# Altium PCB Test_Jig.PcbDoc (part 1 of 2)
Units mm, origin at the board's own origin, x right, y up, seen from the top; angles counter-clockwise.
Board outline 107.92 x 107.92 mm, 4 copper layers (Top Layer, Signal Layer 2, Signal Layer 1, Bottom Layer), stack 1.643 mm thick; 143 components, 166 nets, 722 pads, 216 vias.
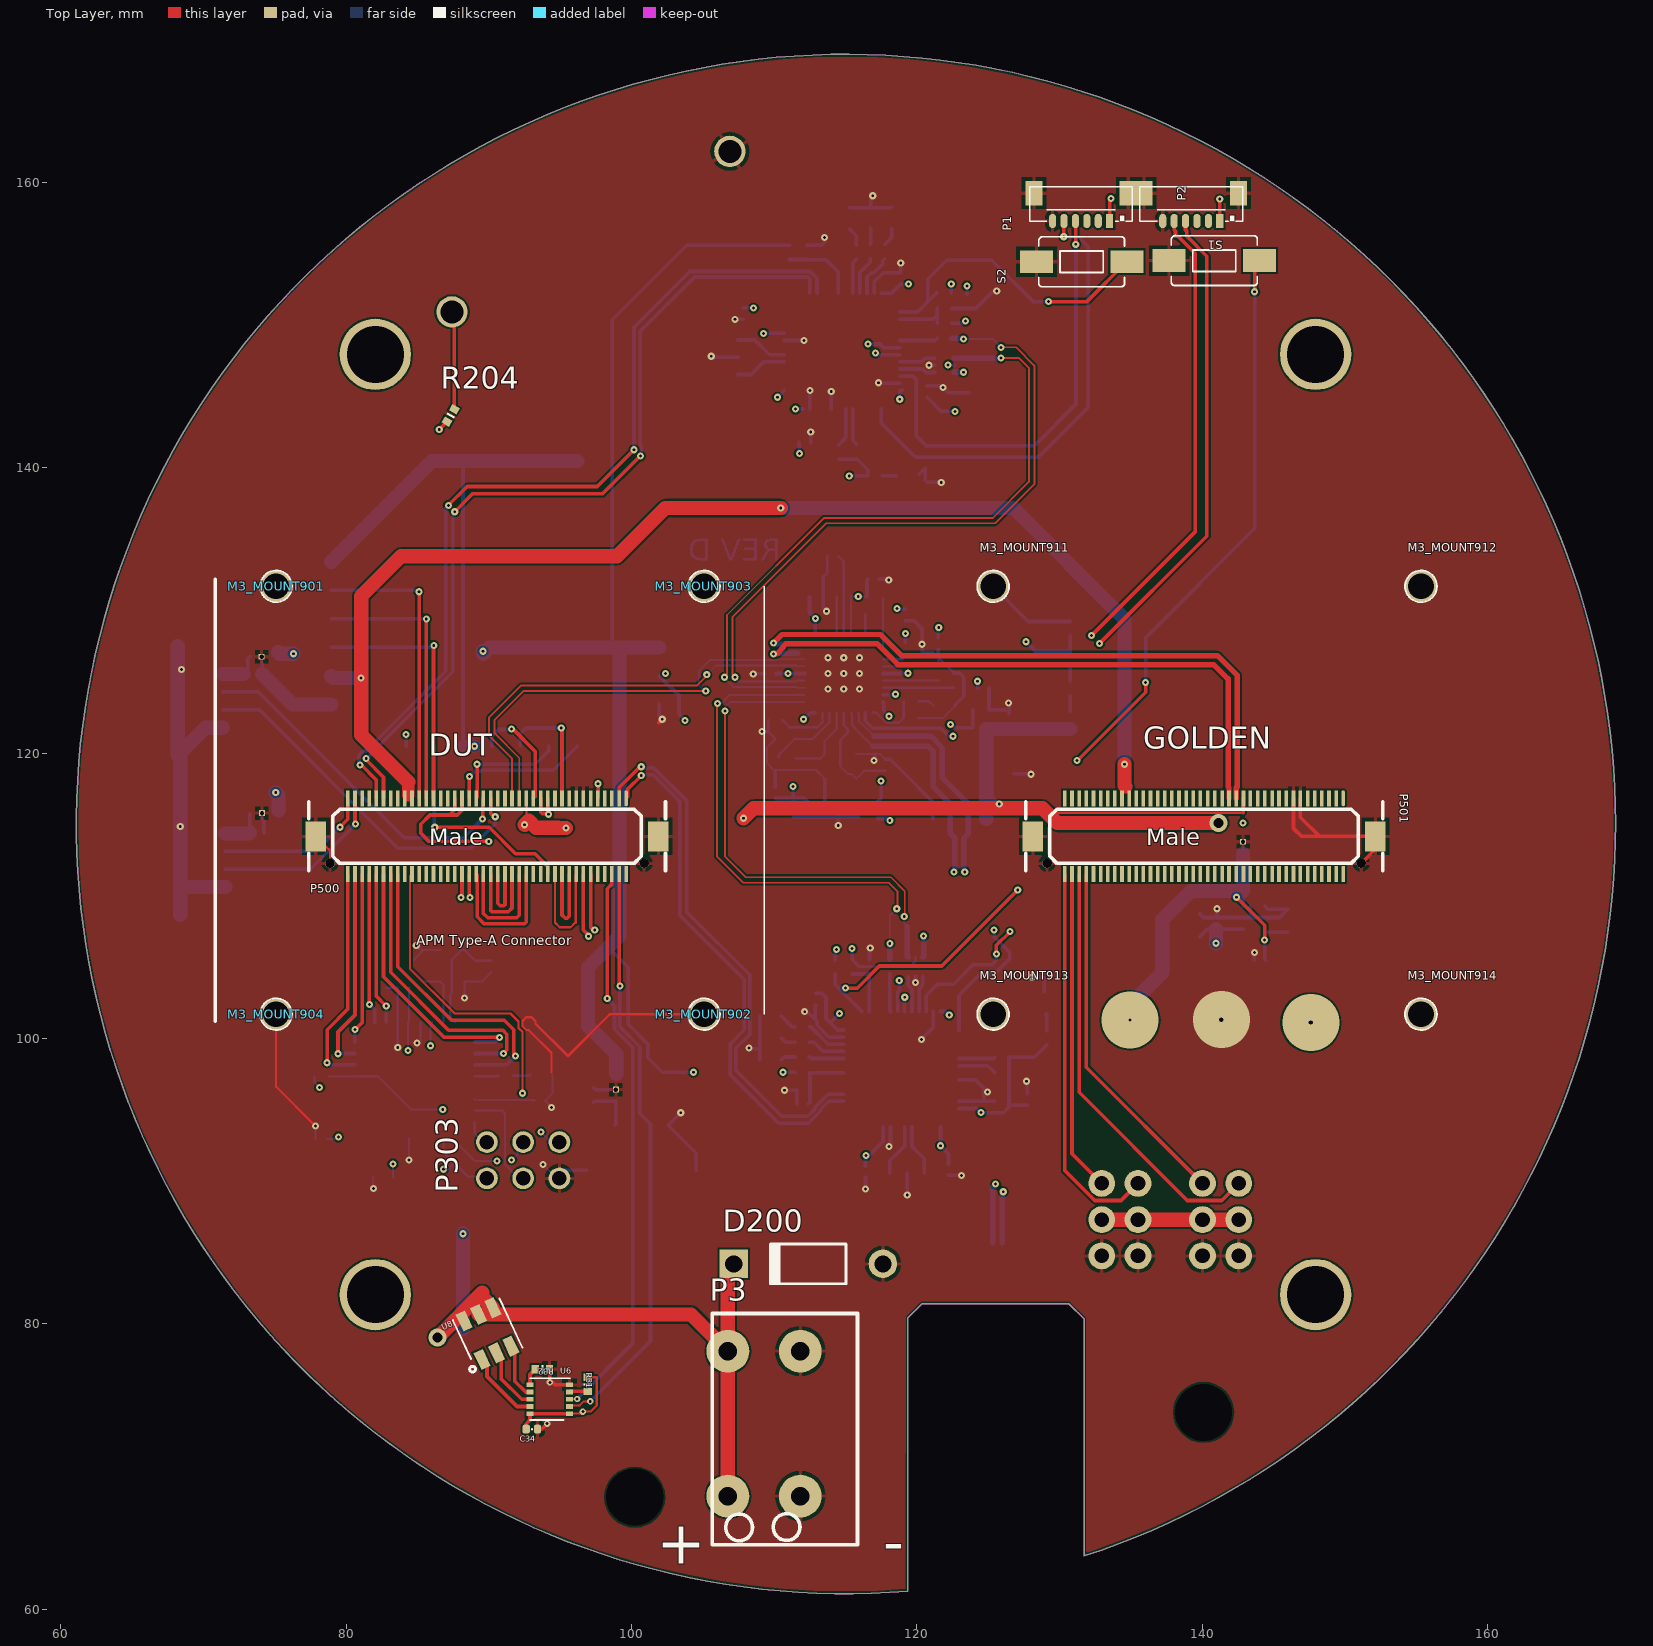
[diagram p0: Top Layer view]
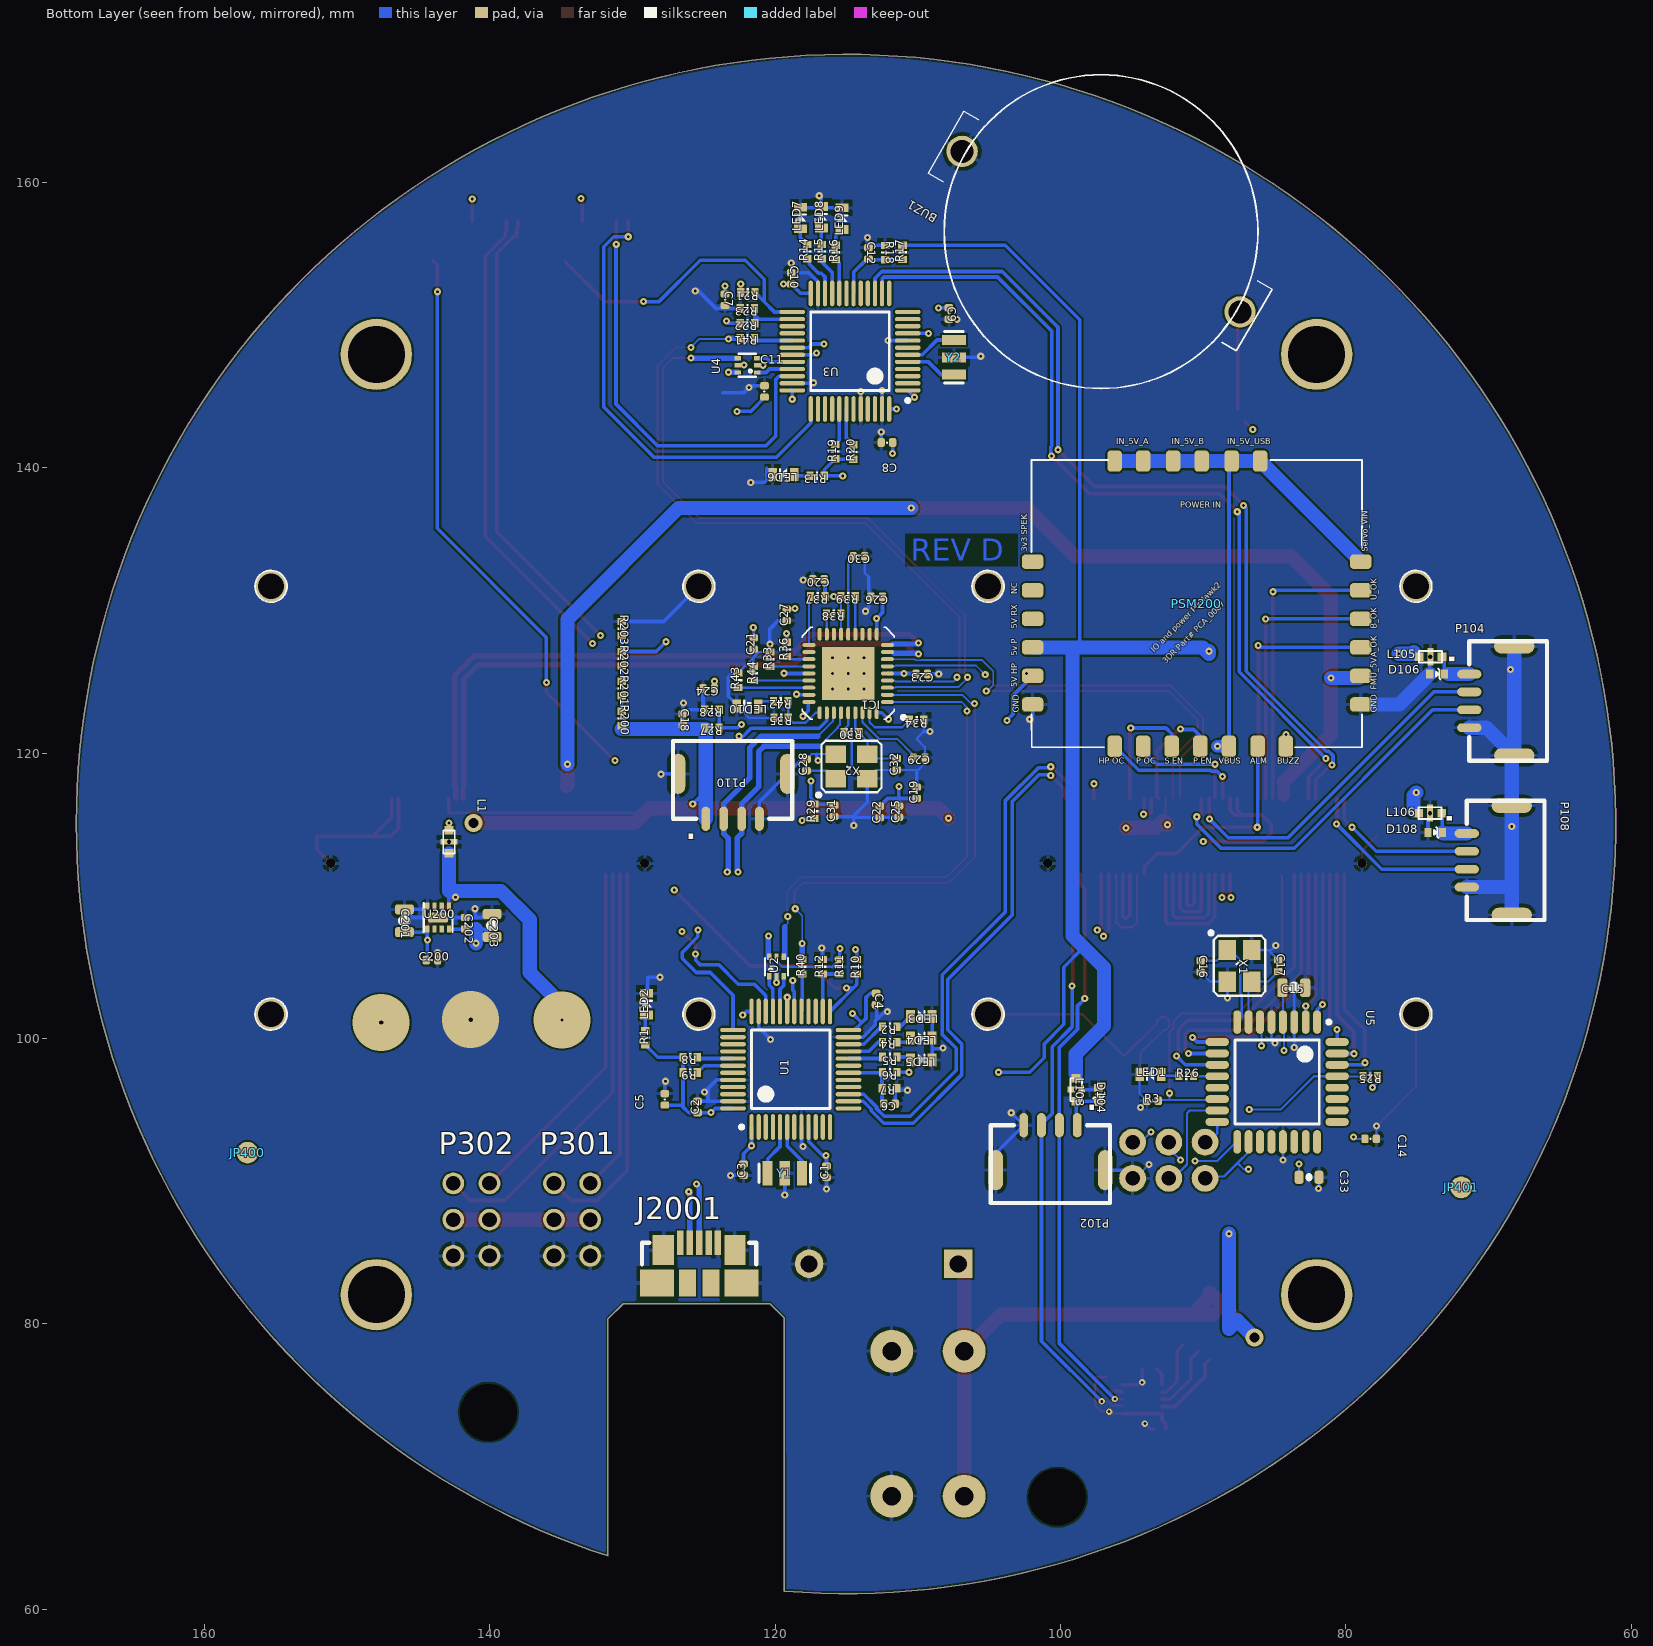
[diagram p1: Bottom Layer view, seen from below]
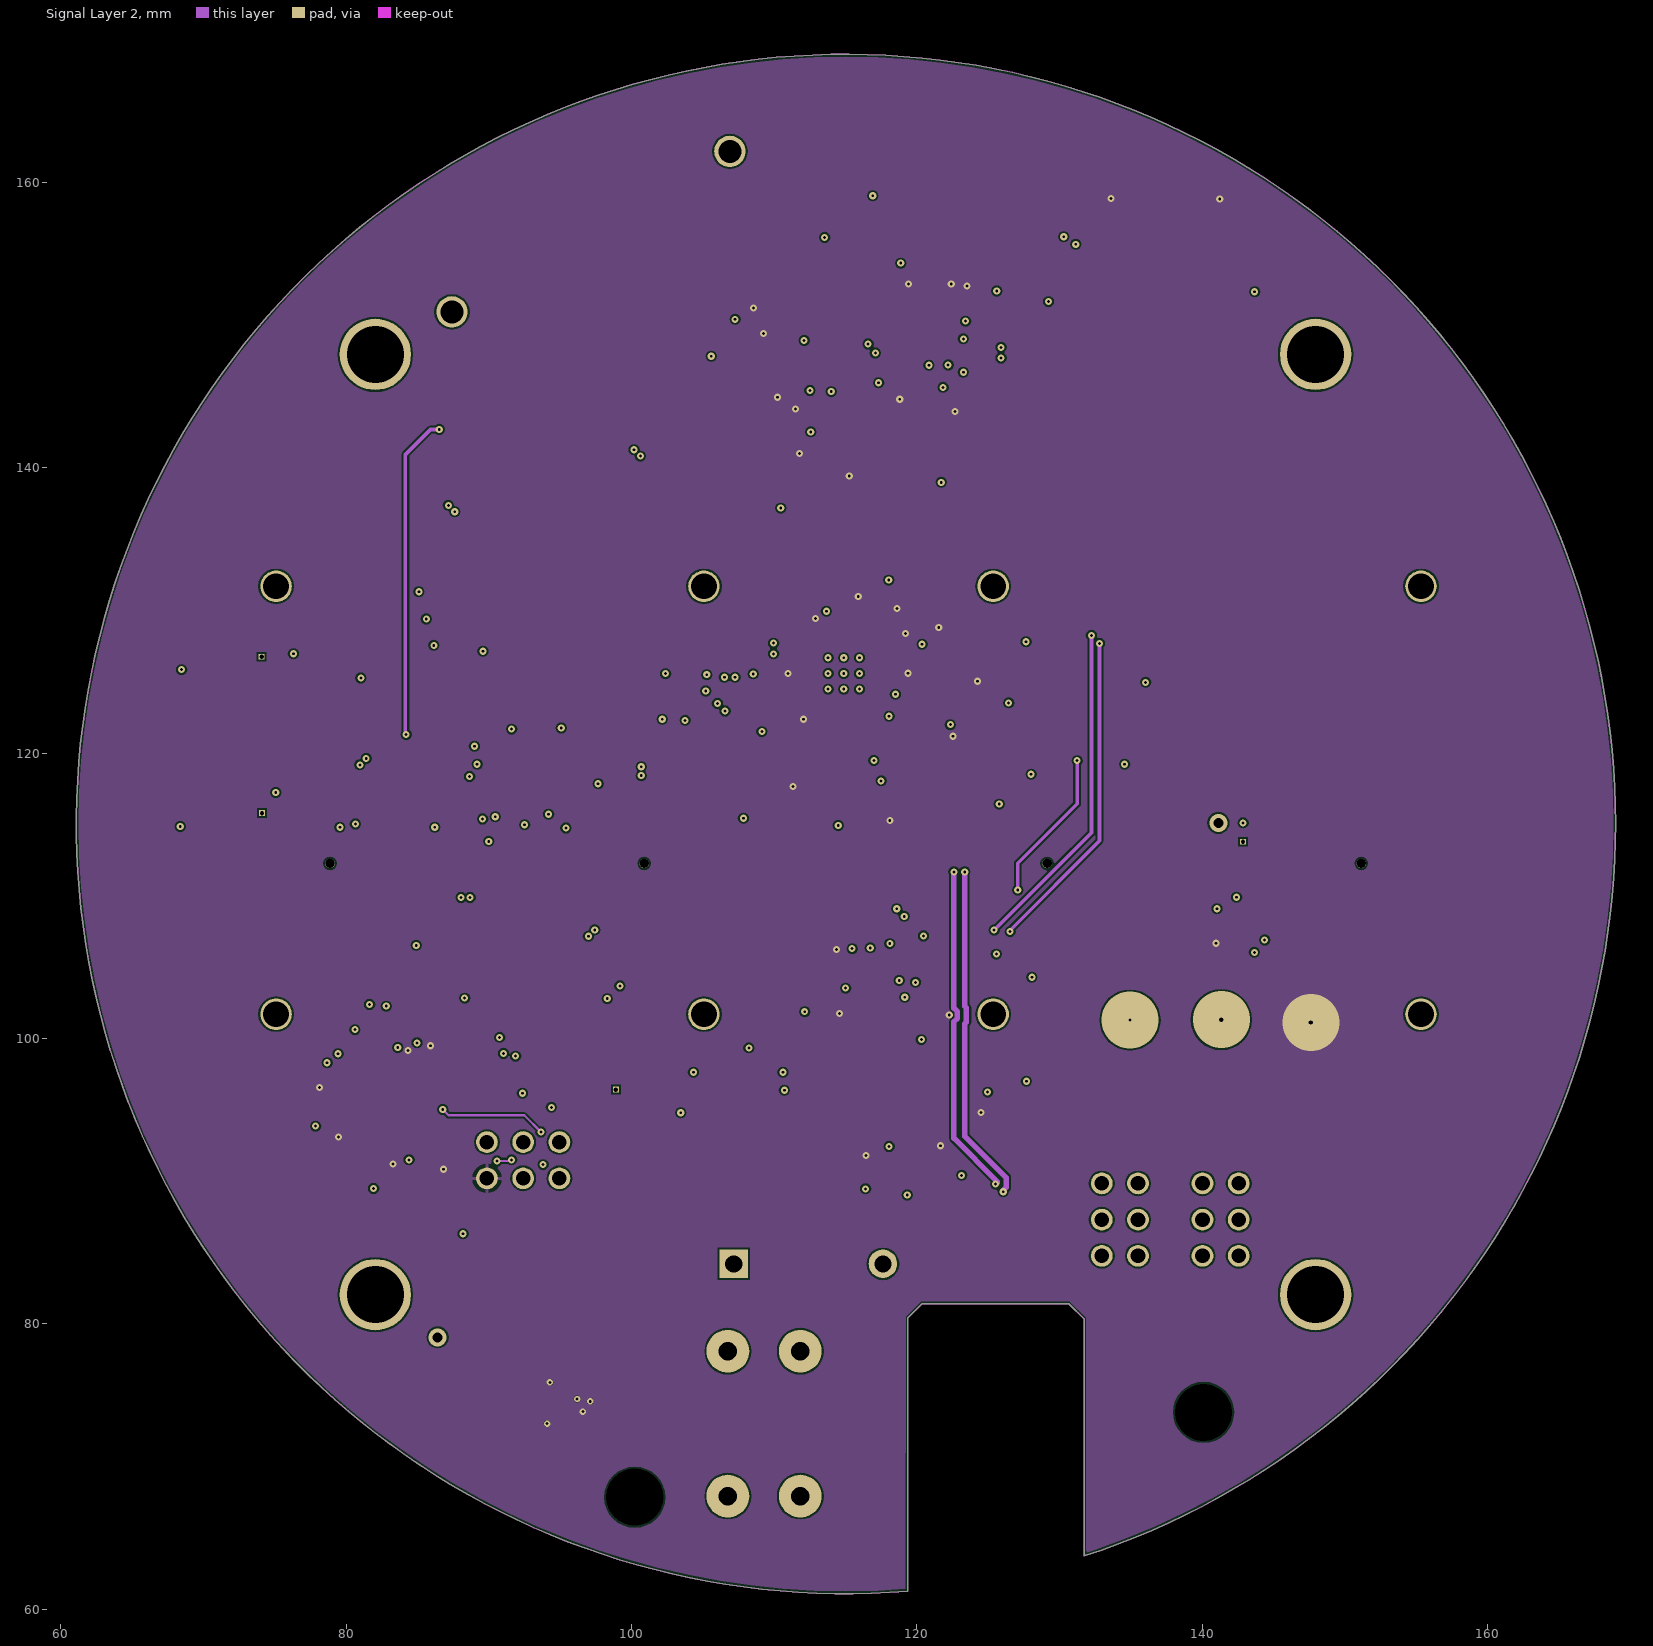
[diagram p2: Signal Layer 2]
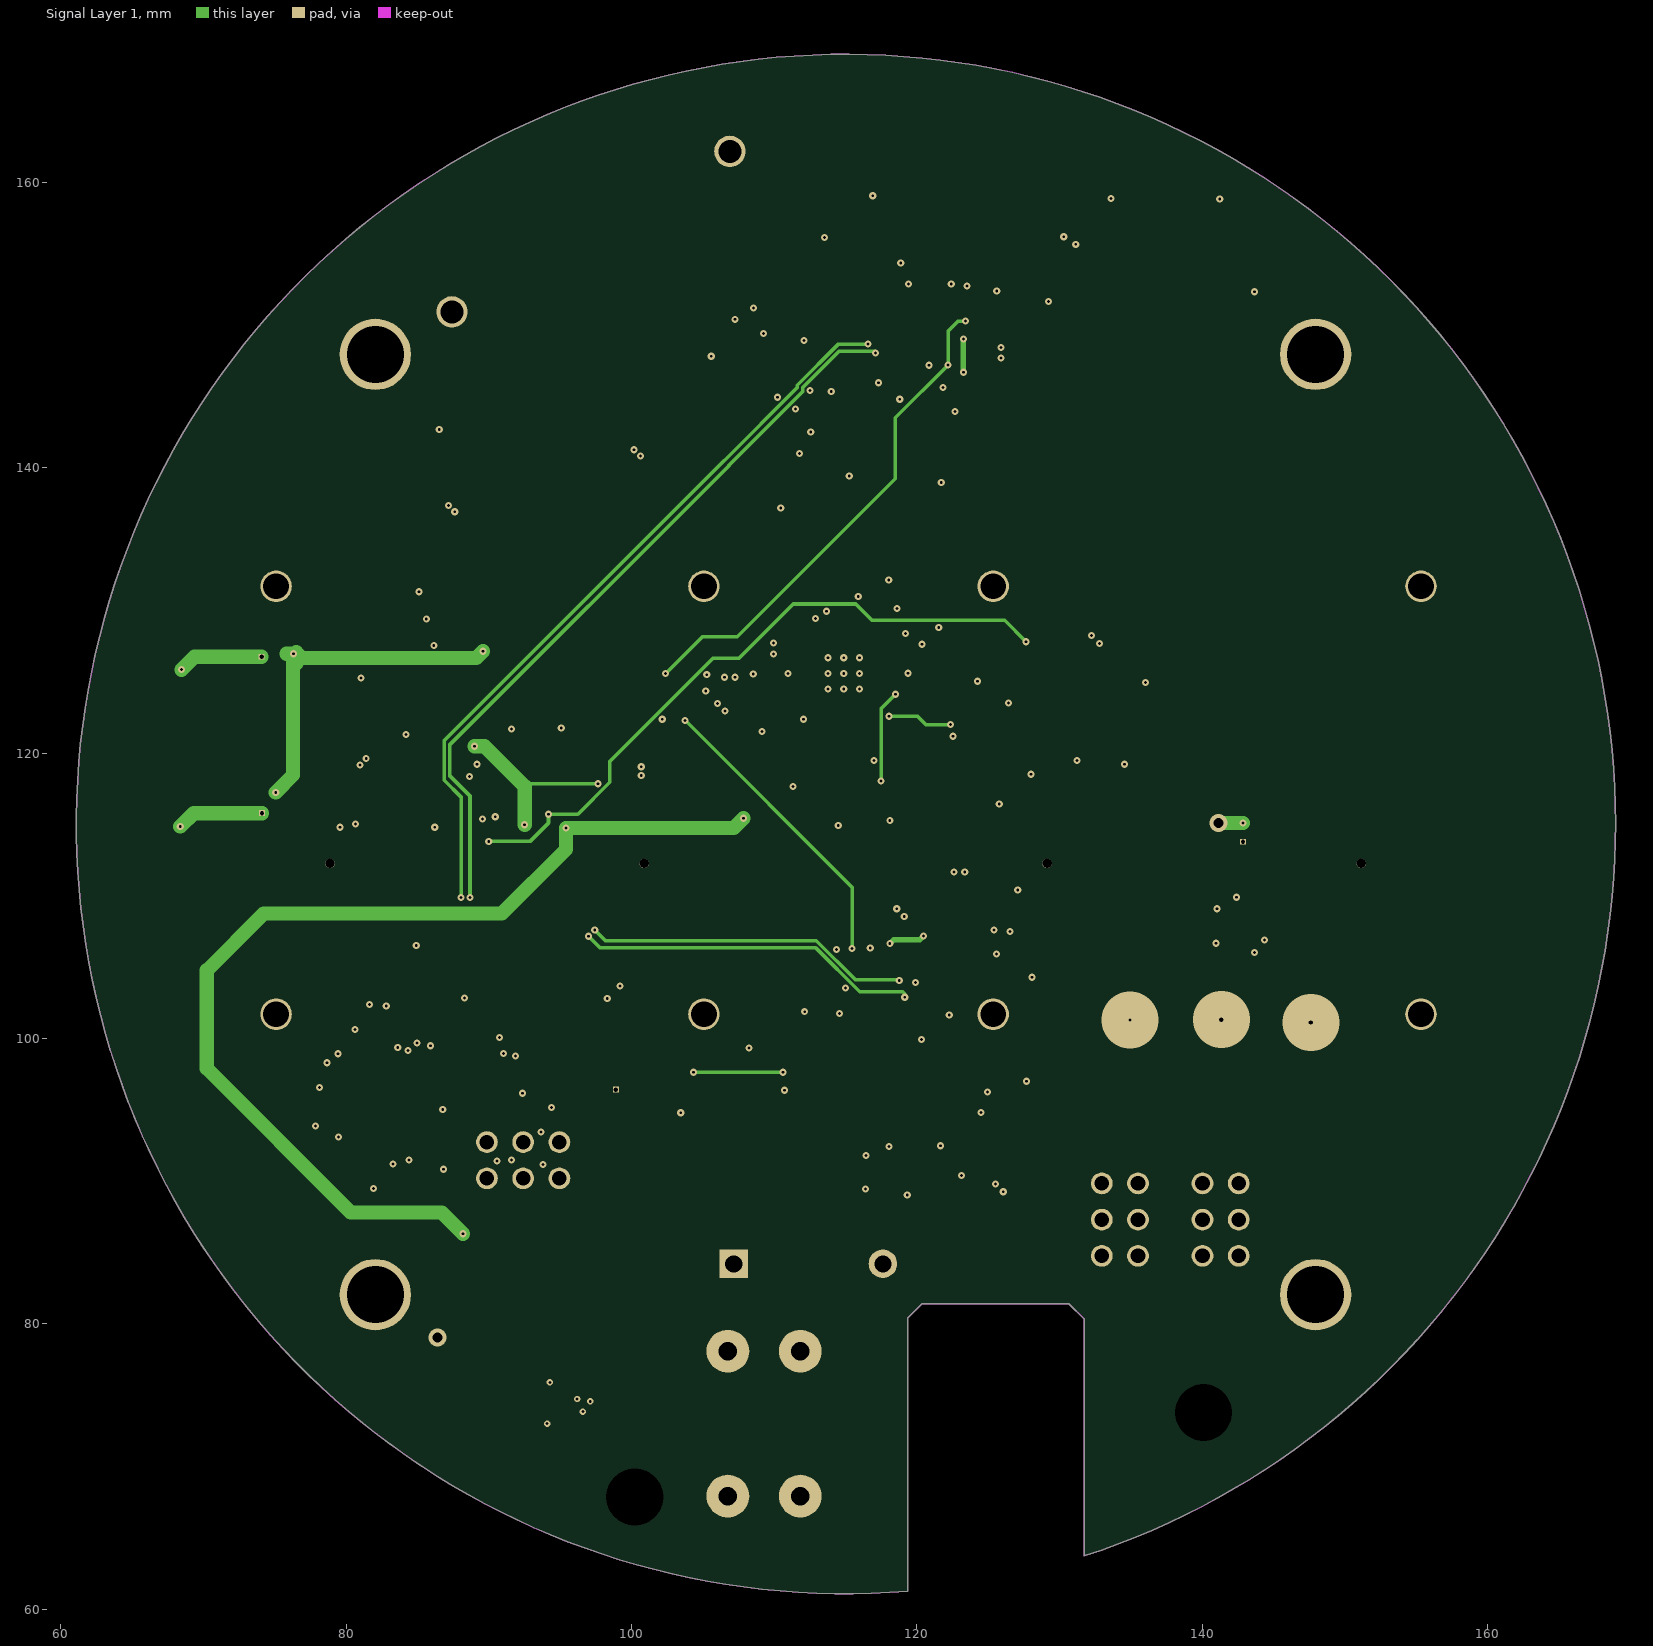
[diagram p3: Signal Layer 1]

## Layer stack, top to bottom
Top Solder: solder mask 0.0102, Solder Resist, Dk 3.5
Top Layer: signal copper 0.0356
Dielectric 1: core 0.5, FR-4, Dk 4.8
Signal Layer 2: signal copper 0.036
Dielectric 6: prepreg 0.5, Dk 4.2
Signal Layer 1: signal copper 0.036
Dielectric 4: core 0.5, Dk 4.2
Bottom Layer: signal copper 0.0356
Bottom Solder: solder mask 0.0102, Solder Resist, Dk 3.5

## Board outline
119.375,61.251 cw(c115.037,115.037) 131.726,63.723 131.724,63.729 131.724,80.34 130.658,81.407 120.371,81.407 119.38,80.416

## Design rules (kind name [scope] priority, off if disabled: settings)
Clearance "Polygon clearance" [InPolygon vs InPolygon] p1: gap=0.3
Clearance Clearance_1 [All] p2: gap=0.127
Clearance mdViaVia [IsVia vs IsVia] p3: gap=0.127
Clearance mdPadVia [IsPad vs IsVia] p4: gap=0.127
Clearance mdPadPad [IsPad vs IsPad] p5: gap=0.127
Clearance mdWireVia [(InLayerClass('Signal Layers') AND IsTrack) vs IsVia] p6: gap=0.127
Clearance mdWirePad [(InLayerClass('Signal Layers') AND IsTrack) vs IsPad] p7: gap=0.127
Clearance mdWireWire [(InLayerClass('Signal Layers') AND IsTrack) vs (InLayerClass('Signal Layers') AND IsTrack)] p8: gap=0.127
ComponentClearance ComponentClearance_1 [(HasFootprint('ed') OR HasFootprint('CON-DF17-80M') OR HasFootprint('DF40-70_RECEPTICAL') OR HasFootprint('PSM') OR HasFootprint('PEM-SMTSO-M1.6-2-ET') OR HasFootprint('HEADER_1X06-FTDI') OR HasFootprint('3DR-WORDMARK-short'))] p1: gap=0 collisioncheckmode=3 verticalgap=0 showdistances=FALSE
ComponentClearance [All] p2 off: gap=0.076 collisioncheckmode=3 verticalgap=0 showdistances=FALSE
DiffPairsRouting [All] p1: maxlimit=0.254 minlimit=0.254 mostfreqgap=0.254 toplayer_minwidth=0.127 toplayer_maxwidth=0.381 toplayer_prefwidth=0.381 midlayer1_minwidth=0.127 midlayer1_maxwidth=0.381 midlayer1_prefwidth=0.381 midlayer2_minwidth=0.127 midlayer2_maxwidth=0.381 midlayer2_prefwidth=0.381 bottomlayer_minwidth=0.127 bottomlayer_maxwidth=0.381 bottomlayer_prefwidth=0.381 maxuncoupledlength=12.7
HoleSize [All] p1: absolutevalues=TRUE maxlimit=2540 minlimit=0.2 maxpercent=80.000 minpercent=20.000
HoleToHoleClearance [All] p1: gap=0.203 allowstackedmicrovias=TRUE
MinimumSolderMaskSliver [All] p1 off: minsoldermaskwidth=0.254
PasteMaskExpansion [All] p1: expansion=0.025
PolygonConnect PolygonConnect_1 [(InComponent('U2') OR InComponent('L6') OR HasFootprint('PEM-SMTSO-M1.6-2-ET') OR HasFootprint('MOUNT-HOLE1.8'))] p1: connectstyle=Direct reliefconductorwidth=0.254 reliefentries=4 polygonreliefangle="90 Angle" airgapwidth=0.254
PolygonConnect ThermalVias [IsVia] p2: connectstyle=Direct reliefconductorwidth=0.254 reliefentries=4 polygonreliefangle="90 Angle" airgapwidth=0.254
PolygonConnect [All] p3: connectstyle=Relief reliefconductorwidth=0.254 reliefentries=4 polygonreliefangle="90 Angle" airgapwidth=0.254
RoutingVias [All] p1: holewidth=0.2 width=0.5 viastyle="Through Hole" minholewidth=0.2 minwidth=0.5 maxholewidth=0.711 maxwidth=1.27
SilkToBoardRegionClearance [All] p1 off:
SilkToSilkClearance [All] p1 off: silktosilkclearance=0.254
SilkToSolderMaskClearance [IsPad] p1 off: minsilkscreentomaskgap=0.254 clearancetoexposedcopper=TRUE
SolderMaskExpansion [All] p1: expansion=0.025
Width [All] p1: maxlimit=1 minlimit=0.15 preferedwidth=0.254
21 further rules are at their usual default settings.

## Classes and differential pairs
component class Test_Jig_BMP1: C1 C2 C3 C4 C5 C6 LED2 LED3 LED4 LED5 P2 R1 R2 R4 R5 R6 R7 R8 R9 R10 R11 R12 R40 S1 U1 U2 Y1
component class Test_Jig_Pixhawk_DUT: 3 BUZ1 C34 C200 C201 C202 C203 D104 D106 D108 JP400 JP401 L1 L103 L105 L106 M3_MOUNT901 M3_MOUNT902 M3_MOUNT903 M3_MOUNT904 M3_MOUNT911 M3_MOUNT912 M3_MOUNT913 M3_MOUNT914 P102 P104 P108 P301 P302 P500 P501 PSM200 R31 R32 R200 R201 R202 R203 R204 U6 U8 U200
component class Test_Jig_BMP2: C7 C8 C9 C10 C11 C12 GND6 LED6 LED7 LED8 LED9 P1 R13 R14 R15 R16 R17 R18 R19 R20 R21 R22 R23 R41 S2 U3 U4 Y2
component class Test_Jig_PPM-Encoder: C14 C15 C16 C17 C33 LED1 P303 R3 R25 R26 U5 X1
component class Test_Jig_USB: C18 C19 C20 C21 C22 C23 C24 C25 C26 C27 C28 C29 C30 C31 C32 D200 IC1 J2001 LED10 P3 P110 R27 R28 R29 R30 R33 R34 R35 R36 R37 R38 R39 R42 R43 R44 X2
differential pair USB_1: +USB_1_P -USB_1_N
differential pair USB_2: +USB_2_P -USB_2_N
differential pair USB_3: +USB_3_P -USB_3_N
differential pair USB_4: +USB_4_P -USB_4_N
differential pair USB_UP: +USB_UP_P -USB_UP_N

## Components (designator, comment, footprint, x,y, rotation, side; value= is the part's Value field where it differs from the comment)
BUZ1 "BUZZ* CEP-1108" CEP-1108 97.155,156.566 r210 bottom
C1 "0u1" 0402-CAP 116.408,90.653 r270 bottom
C2 "0u1" 0402-CAP 125.451,95.199 r90 bottom
C3 "0u1" 0402-CAP 122.225,90.805 r270 bottom
C4 "0u1" 0402-CAP 112.928,102.768 r270 bottom
C5 "0u1" 0402-CAP 127.737,95.733 r90 bottom
C6 "0u1" 0402-CAP 111.989,95.428 r180 bottom
C7 "0u1" 0402-CAP 123.52,151.79 r270 bottom
C8 "0u1" 0402-CAP 112.166,141.783 r0 bottom
C9 "0u1" 0402-CAP 107.823,150.825 r270 bottom
C10 "0u1" 0402-CAP 118.872,153.289 r90 bottom
C11 "0u1" 0402-CAP 120.752,145.364 r90 bottom
C12 "0u1" 0402-CAP 113.462,155.042 r90 bottom
C14 "0u1" 0402-CAP 78.257,92.964 r180 bottom
C15 "10u/25V" 0805-CAP 83.642,103.556 r180 bottom
C16 "8p" 0402-CAP 90.17,105.054 r90 bottom
C17 "8p" 0402-CAP 84.734,105.105 r270 bottom
C18 "0u1" 0402-CAP 126.492,122.358 r90 bottom
C19 "0u1" 0402-CAP 110.084,117.227 r90 bottom
C20 "0u1" 0402-CAP 116.967,132.188 r0 bottom
C21 "0u1" 0402-CAP 121.514,127.692 r270 bottom
C22 "0u1" 0402-CAP 112.674,115.881 r270 bottom
C23 "0u1" 0402-CAP 109.728,125.559 r180 bottom
C24 "0u1" 0402-CAP 124.663,124.543 r0 bottom
C25 "0u1" 0402-CAP 111.328,115.907 r270 bottom
C26 "0u1" 0402-CAP 112.878,130.969 r0 bottom
C27 "0u1" 0402-CAP 119.202,129.699 r270 bottom
C28 "8p" 0402-CAP 117.805,119.17 r270 bottom
C29 "0u1" 0402-CAP 109.906,119.685 r180 bottom
C30 "0u1" 0402-CAP 114.122,133.807 r180 bottom
C31 "0u1" 0402-CAP 115.875,115.957 r270 bottom
C32 "8p" 0402-CAP 111.481,119.228 r270 bottom
C33 "0u01" 0603-CAP 82.575,90.272 r180 bottom
C34 "0u1" 0402-CAP 93.015,72.619 r180 top
C200 "0u1" 0402-CAP 144.069,105.486 r180 bottom
C201 "10u/25V" 0805-CAP 145.999,108.255 r90 bottom
C202 "0u1" 0402-CAP 141.732,108.077 r90 bottom
C203 "22u/25V" 0805-CAP 139.852,107.925 r90 bottom
D104 "DIODE-TVS" 0402-TVS 97.333,96.037 r90 bottom
D106 "DIODE-TVS" 0402-TVS 73.602,125.55 r0 bottom
D108 "DIODE-TVS" 0402-TVS 73.728,114.442 r0 bottom
D200 "Diode 1N4001" DO-41 112.395,84.201 r180 top
IC1 "USB2514B/14Bi" "QFN36 USB" 114.884,125.59 r0 bottom
J2001 "47346-0001" MOLEX-47346-0001 125.324,82.855 r90 bottom
JP400 "FIDUCIAL1.5X3" FIDUCIAL-1.5X3 156.997,91.999 r180 bottom
JP401 "FIDUCIAL1.5X3" FIDUCIAL-1.5X3 71.907,89.56 r90 bottom
L1 "Kyocera KNH16C104DA5TS EMI filter" KYOCERA-KNH16-DA 142.875,113.792 r270 bottom
L103 "Kyocera KNH16C104DA5TS EMI filter" KYOCERA-KNH16-DA 98.908,96.418 r270 bottom
L105 "Kyocera KNH16C104DA5TS EMI filter" KYOCERA-KNH16-DA 74.066,126.761 r180 bottom
L106 "Kyocera KNH16C104DA5TS EMI filter" KYOCERA-KNH16-DA 74.092,115.799 r180 bottom
LED1 "LED0603_Green" 0603-LED-Blue 93.701,97.485 r180 bottom
LED2 "LED0603_Green" 0603-LED-Blue 129.032,102.413 r270 bottom
LED3 "LED0603_Green" 0603-LED-Blue 109.753,101.549 r0 bottom
LED4 "LED0603_Green" 0603-LED-Blue 109.753,100.025 r0 bottom
LED5 "LED0603_Green" 0603-LED-Blue 109.753,98.501 r0 bottom
LED6 "LED0603_Green" 0603-LED-Blue 119.431,139.548 r180 bottom
LED7 "LED0603_Green" 0603-LED-Blue 118.237,157.531 r270 bottom
LED8 "LED0603_Green" 0603-LED-Blue 116.764,157.582 r270 bottom
LED9 "LED0603_Green" 0603-LED-Blue 115.316,157.48 r270 bottom
LED10 "AMBER" 0603-LED 121.945,123.317 r180 bottom
M3_MOUNT901 "MOUNT-HOLE1.8MM" MOUNT-HOLE1.8 75.083,131.699 r0 top locked
M3_MOUNT902 "MOUNT-HOLE1.8MM" MOUNT-HOLE1.8 105.08,101.702 r0 top locked
M3_MOUNT903 "MOUNT-HOLE1.8MM" MOUNT-HOLE1.8 105.08,131.699 r0 top locked